# Altium PCB CTRL V5.PcbDoc
Units mil, origin at the board's own origin, x right, y up, seen from the top; angles counter-clockwise.
Board outline 1988.19 x 1466.54 mil, 2 copper layers (Top Layer, Bottom Layer); 80 components, 68 nets, 355 pads, 116 vias.
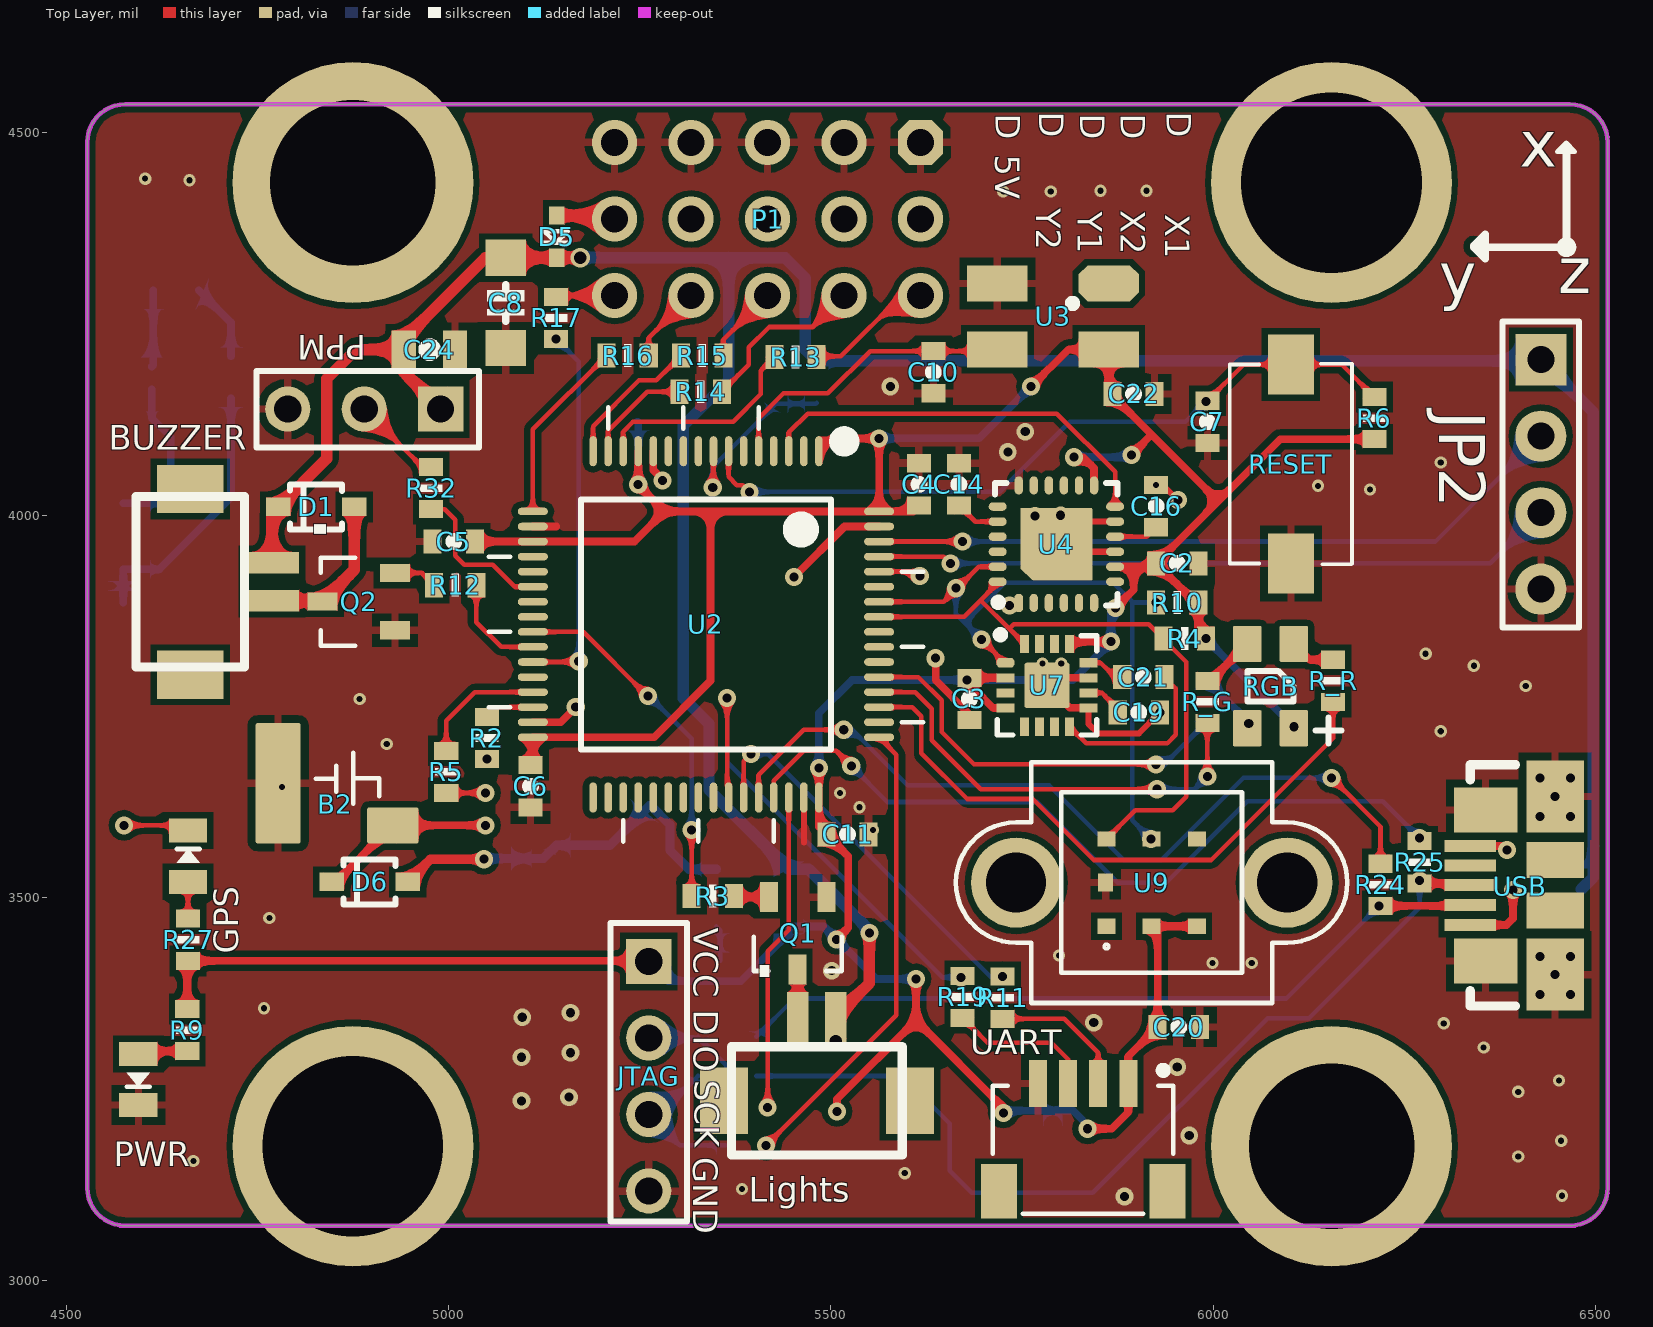
[diagram p0: Top Layer view]
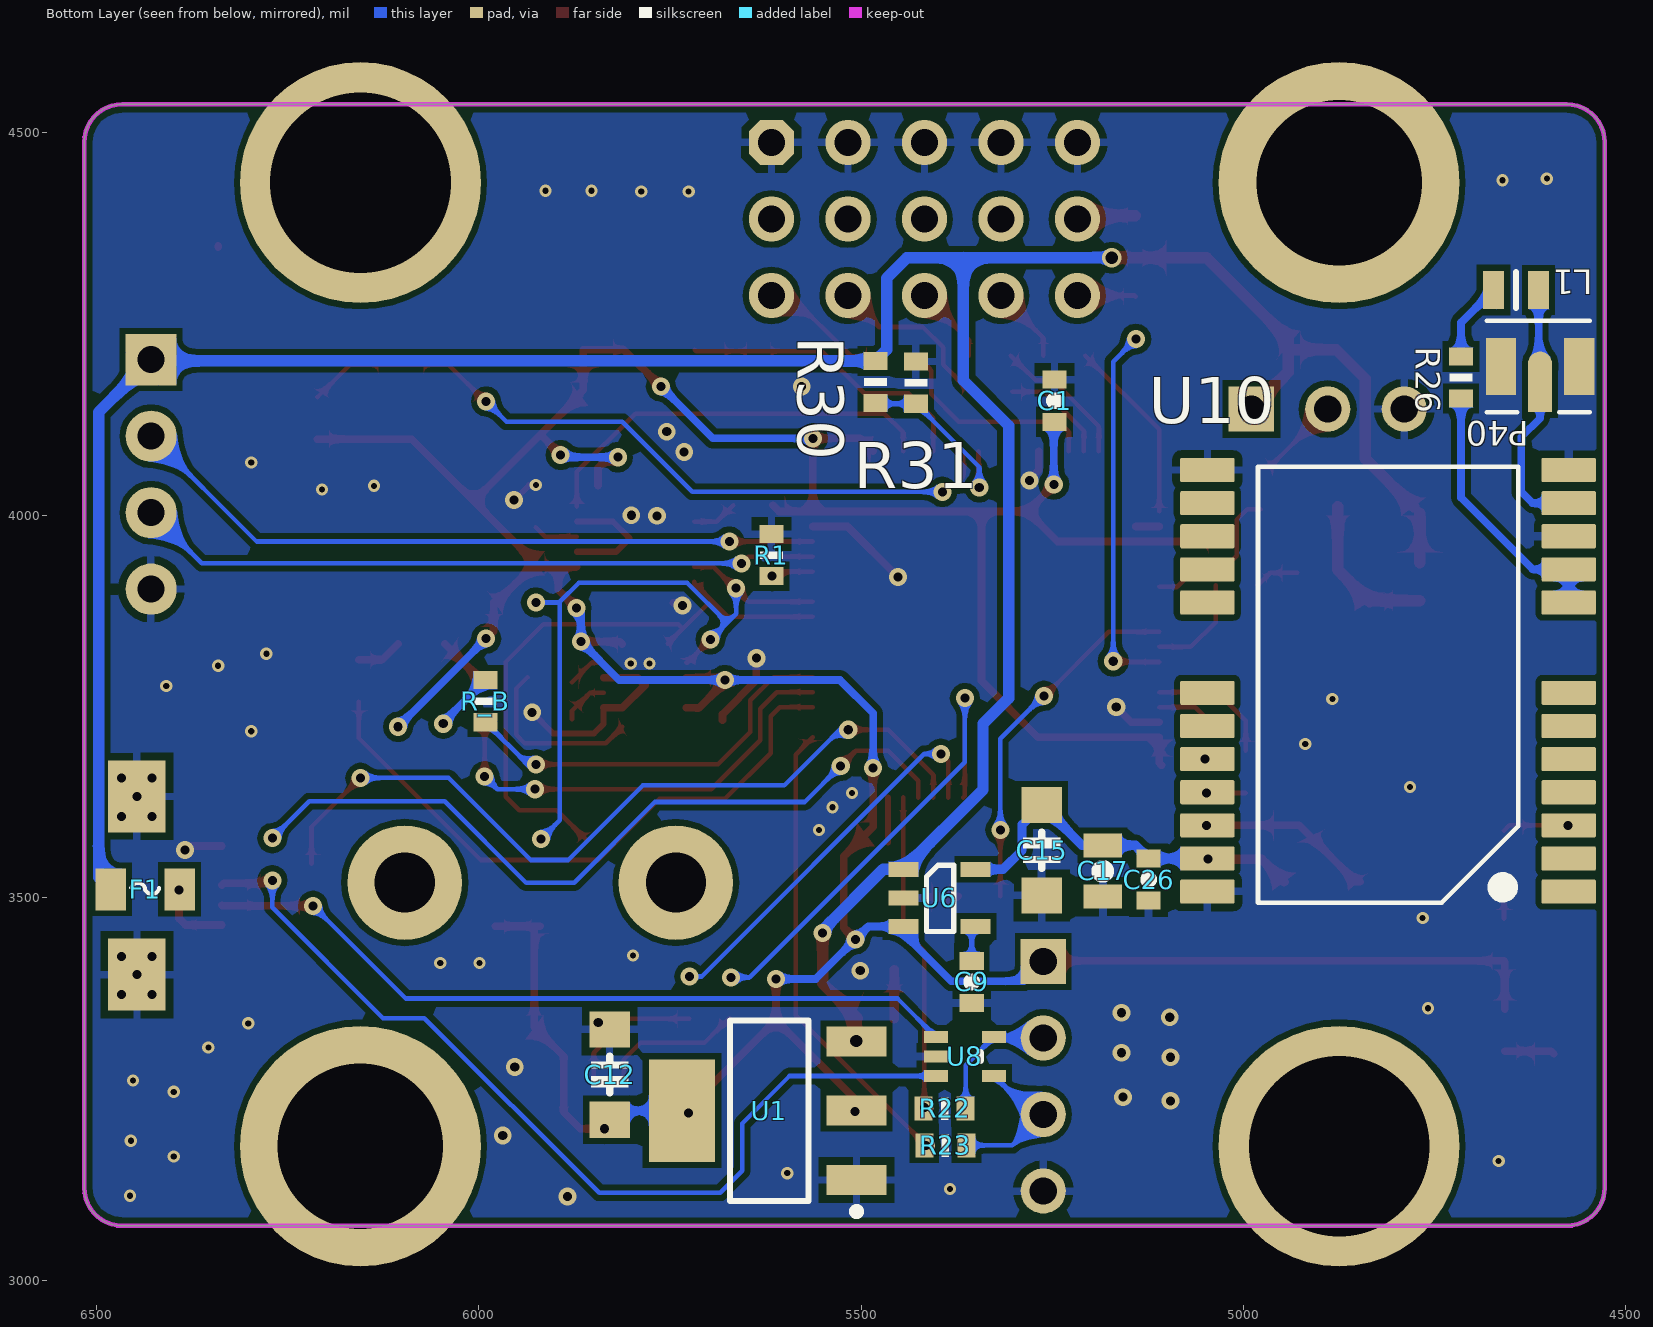
[diagram p1: Bottom Layer view, seen from below]

## Layer stack, top to bottom
Top Solder: solder mask 0.4, Solder Resist, Dk 3.5
Top Layer: signal copper 1.4
Dielectric1: dielectric 12.6, FR-4, Dk 4.8
Bottom Layer: signal copper 1.4
Bottom Solder: solder mask 0.4, Solder Resist, Dk 3.5

## Board outline
4527.56,3120.87 ccw(c4577.56,3120.87) 4577.56,3070.87 6465.75,3070.87 ccw(c6465.75,3120.87) 6515.75,3120.87 6515.75,4487.4 ccw(c6465.75,4487.4) 6465.75,4537.4 4577.56,4537.4 ccw(c4577.56,4487.4) 4527.56,4487.4

## Design rules (kind name [scope] priority, off if disabled: settings)
Clearance [All] p1: gap=5
ComponentClearance [All] p1: gap=1 collisioncheckmode=3 verticalgap=1 showdistances=FALSE
HoleSize [All] p1: absolutevalues=TRUE maxlimit=500 minlimit=1 maxpercent=80.000 minpercent=20.000
PolygonConnect IPEX [InComponent('P40')] p1: connectstyle=Direct reliefconductorwidth=10 reliefentries=4 polygonreliefangle="90 Angle" airgapwidth=10
PolygonConnect via [isvia] p2: connectstyle=Direct reliefconductorwidth=10 reliefentries=4 polygonreliefangle="90 Angle" airgapwidth=10
PolygonConnect [All] p3: connectstyle=Relief reliefconductorwidth=10 reliefentries=4 polygonreliefangle="90 Angle" airgapwidth=10
RoutingVias [All] p1: holewidth=11.81 width=23.62 viastyle="Through Hole" minholewidth=11.81 minwidth=23.62 maxholewidth=11.81 maxwidth=23.62
SolderMaskExpansion [All] p1: expansion=4
Width 5V [InNet('5V')] p1: maxlimit=15 minlimit=8 preferedwidth=10
Width PURE3V3 [InNet('PURE_3V3')] p2: maxlimit=15 minlimit=8 preferedwidth=10
Width 3V3 [InNet('3V3')] p3: maxlimit=20 minlimit=6 preferedwidth=8
Width [All] p4: maxlimit=157.48 minlimit=6 preferedwidth=6
28 further rules are at their usual default settings.

## Components (designator, comment, footprint, x,y, rotation, side; value= is the part's Value field where it differs from the comment)
B2 "XH414" XH414 4846.17,3667.49 r90 top
BUZZER "DF13C-2P" DF13C-2P-1.25V 4733.27,3913.39 r270 top
C1 "0.1uF" 0603-CAP 5247.05,4149.61 r90 bottom
C2 "0.1uF" 0603-CAP 5952.76,3937.01 r0 top
C3 "0.1uF" 0603-CAP 5681.1,3759.84 r90 top
C4 "0.1uF" 0603-CAP 5615.16,4040.35 r270 top
C5 "0.1uF" 0603-CAP 5006.89,3965.55 r0 top
C6 "0.1uF" 0603-CAP 5107.28,3645.67 r270 top
C7 "0.1uF" 0603-CAP 5992.13,4122.05 r90 top
C8 "10uF" TAJ-A(1206)[3216] 5074.8,4277.56 r270 top
C9 "0.1uF" 0603-CAP 5355.31,3389.76 r270 bottom
C10 "22pF" 0603-CAP 5633.86,4187.01 r90 top
C11 "0.1uF" 0603-CAP 5521.65,3582.68 r180 top
C12 "10uF" TAJ-A(1206)[3216] 5828.74,3268.7 r90 bottom
C14 "0.1uF" 0603-CAP 5667.32,4040.35 r90 top
C15 "10uF" TAJ-A(1206)[3216] 5263.78,3562.01 r270 bottom
C16 "0.1uF" 0603-CAP 5925.2,4011.81 r90 top
C17 "1uF" 0805-CAP 5184.06,3534.45 r90 bottom
C19 "0.1uF" 0603-CAP 5902.56,3742.12 r180 top
C20 "0.1uF" 0603-CAP 5954.72,3330.71 r180 top
C21 "0.1uF" 0603-CAP 5908.46,3788.39 r180 top
C22 "0.1uF" 0603-CAP 5895.67,4158.46 r180 top
C24 "0.1uF" 0805-CAP 4975.39,4216.54 r180 top
C26 "0.1uF" 0603-CAP 5124.02,3523.62 r90 bottom
D1 "shotechy" SOD-323 4826.77,4010.83 r180 top
D5 "1N4148" SOD-523 5140.75,4364.17 r270 top
D6 "SOD-323" SOD-323 4896.65,3520.67 r180 top
F1 "FUSE" 0805-FUS 6436.02,3510.83 r180 bottom
GPS "LED" 0805-LED 4659.45,3554.6 r270 top
JP2 "HDR-1X4" HDR-1X4 6428.15,4203.35 r270 top
JTAG "PIN HDR 1x4" PIN4*1 5261.81,3416.54 r270 top
L1 "value" 0805-IND 4643.7,4294.29 r180 bottom
Lights "DF13C-2P" DF13C-2P-1.25V 5481.3,3305.12 r0 top
P1 "PIN3X5" "PIN HDR3X5" 5617.13,4487.2 r180 top
P40 "IPEX" IPEX 4612.2,4194.37 r270 bottom
PPM "PIN HDR 1X3" PIN3*1 4989.76,4138.78 r180 top
PWR "LED" 0805-LED 4594.49,3261.81 r90 top
Q1 "2N3904" SOT-23 5456.69,3453.74 r180 top
Q2 "2N3904" SOT-23 4882.87,3886.81 r90 top
R1 "10K" 0603-Res 5617.13,3947.83 r270 bottom
R2 "510" 0603-Res 5050.2,3708.66 r270 top
R3 "10K" 0603-Res 5345.47,3501.97 r0 top
R4 "2.2K" 0603-Res 5962.6,3838.58 r0 top
R5 "510" 0603-Res 4997.05,3664.37 r270 top
R6 "10K" 0603-Res 6210.63,4126.97 r90 top
R9 "220" 0603-Res 4658.47,3326.77 r270 top
R10 "2.2K" 0603-Res 5952.76,3885.83 r0 top
R11 "22" 0603-Res 5724.41,3369.09 r90 top
R12 "10K" 0603-Res 5008.86,3908.46 r0 top
R13 "220" 0603-Res 5453.74,4206.69 r180 top
R14 "220" 0603-Res 5329.72,4161.42 r180 top
R15 "220" 0603-Res 5331.69,4208.66 r180 top
R16 "220" 0603-Res 5234.25,4208.66 r180 top
R17 "220" 0603-Res 5140.75,4257.87 r270 top
R19 "22" 0603-Res 5672.24,3370.08 r90 top
R22 "22" 0603-Res 5390.75,3224.41 r0 bottom
R23 "22" 0603-Res 5389.76,3176.18 r0 bottom
R24 "22" 0603-Res 6218.5,3516.73 r90 top
R25 "22" 0603-Res 6269.69,3546.26 r90 top
R26 "100" 0603-Res 4715.55,4180.12 r90 bottom
R27 "200" 0603-Res 4659.45,3444.88 r270 top
R30 "3.3K" 0603-Res 5481.3,4174.21 r270 bottom
R31 "1.7K" 0603-Res 5428.15,4173.23 r90 bottom
R32 "22" 0603-Res 4977.36,4035.43 r90 top
R_B "220" 0603-Res 5991.14,3756.89 r270 bottom
R_G "220" 0603-Res 5992.13,3755.91 r270 top
R_R "470" 0603-Res 6156.5,3783.46 r270 top
RESET "KEY_2PIN" KEY-SMD-2P-1 6101.38,4066.93 r90 top
RGB "3528LED" 1210-RGBLED 6074.8,3776.58 r90 top
U1 "AMS1117-3.3" SOT-223 5620.08,3221.46 r90 bottom
U2 "STM32F103RCT6" LQFP-64-S 5336.61,3857.28 r180 top
U3 "5032-8M" XTAL-5032-4P 5760.83,4196.85 r180 top
U4 "MPU6050" QFN-24 5794.78,3962.1 r0 top
U6 "RT9193" SOT23-5 5394.69,3499.02 r270 bottom
U7 "HMC5883" QFN-16-L 5782.48,3777.56 r270 top
U8 "ESDA6V1W5(Eb1)" SOT323-5L 5364.17,3292.32 r270 bottom
U9 "BMP180" BMP180-WITHSHELL 5919.29,3519.68 r90 top
U10 "NEO-6" NEO-6 4811.02,3783.46 r90 bottom
UART "SH1.0-4P" "SH1.0 S-W-4P" 5829.72,3086.61 r0 top
USB "USB-MICRO" USB_MICRO 6446.85,3516.24 r180 top

## Footprints (in the part's own frame and the unit in brackets; to place one, negate y for a bottom-side part, rotate by r counter-clockwise, add the part's x,y. Pads: shape width x height; smd on the part's side, far side on the other; paste and mask are expansions set on the pad)
0603-CAP [mm] "0603[1608]-CAP"
  rect 0.6x0.8 smd: 1(-0.7,0) 2(0.7,0)
  silkscreen extent -0.13,-0.13 0.13,0.13, body extent -0.8,-0.4 0.8,0.4, height 0.8
0603-Res [mm] "贴片电阻0603"
  rect 0.6x0.8 smd: 1(-0.7,0) 2(0.7,0)
  silkscreen extent -0.13,-0.38 0.13,0.38, body extent -0.8,-0.4 0.8,0.4, height 0.45
0805-CAP [mm] "无极性电容"
  rect 0.8x1.27 smd: 1(-0.838,0) 2(0.862,0)
  silkscreen extent -0.13,-0.13 0.13,0.13, body extent -1,-0.61 1,0.59, height 0.95
0805-FUS [mil] "贴片保险丝"
  rect 40x55 smd: 1(-45,0) 2(45,0)
  silkscreen extent -18,-6 18,8, body extent -39,-24 39,24, height 20
0805-IND [mm] "贴片电阻0805"
  rect 0.7x1.27 smd: 1(-0.75,0) 2(0.75,0)
  silkscreen extent 0,-0.6 0,0.6, body extent -1,-0.6 1,0.6, height 1
0805-LED [mm] "贴片LED0805"
  rect 0.8x1.27 smd: A(0.862,0) C(-0.838,0)
  silkscreen extent -0.23,-0.38 0.23,0.38, body extent -1.01,-0.62 1.01,0.63, height 1.1
1210-RGBLED [mm] "3528/1210/3225-4PinRGB"
  rrect10% 1.2x0.95 smd: B(-1.4,0.775) G(1.4,0.775) R(1.4,-0.775) VCC(-1.4,-0.775)
  silkscreen extent -1.9,-2.36 0.51,0.76, body extent -1.75,-1.4 1.75,1.4, height 1.9
BMP180-WITHSHELL [mm]
  round 3 / inner round 3 / far side round 3.8 hole 2 unplated: 0(0,4.5) 0(0,-4.5)
  rect 0.5x0.6 smd: 1(-1.45,1.5) 2(-1.45,0) 3(-1.45,-1.5) 4(1.45,-1.5) 5(1.45,0) 6(1.45,1.5)
  rect 0.6x0.5 smd: 7(0,1.525)
  silkscreen extent -4,-6.5 4,6.5, body extent -4,-6.48 4,6.48, height 3
DF13C-2P-1.25V [mil] "DF13C-2P-1.25V"
  rect 28x71 smd: 1(-24.61,36) 2(25,36)
  rect 63x87 smd: M$0(122,-70.87) M$1(-121.06,-70.87)
  silkscreen extent -111,-142 112,0, body extent -141,-200 141,56, height 141
HDR-1X4 [mm] "排针，4脚"
  rect 1.7x1.7 hole 0.9: 1(0,0)
  round 1.7 hole 0.9: 2(2.54,0) 3(5.08,0) 4(7.62,0)
  silkscreen extent -1.27,-1.27 8.89,1.27, body extent -1.27,-1.27 8.89,1.27, height 8.5
IPEX [mm] "IPEX天线座"
  oval 1x0.8 smd: ANT(0,0)
  rect 1.5x0.8 smd: ANT(0.762,0)
  rect 1.9x1 smd: GND(0,-1.3) GND(0,1.3)
  silkscreen extent -1.52,-1.78 1.52,1.65, body extent -1.55,-1.5 1.55,1.5, height 1.25
KEY-SMD-2P-1 [mil] "贴片内引脚按键"
  rect 78.74x60 smd: 1(-130,0) 2(130,0)
  silkscreen extent -131,-80 131,80, body extent -120,-73 120,73, height 98
LQFP-64-S [mm] "14*14*1.4(长宽高，除引脚）"
  oval 0.25x1 smd: 1(-3.75,-5.75) 2(-3.25,-5.75) 3(-2.75,-5.75) 4(-2.25,-5.75) 5(-1.75,-5.75) 6(-1.25,-5.75) 7(-0.75,-5.75) 8(-0.25,-5.75) 9(0.25,-5.75) 10(0.75,-5.75) 11(1.25,-5.75) 12(1.75,-5.75) 13(2.25,-5.75) 14(2.75,-5.75) 15(3.25,-5.75) 16(3.75,-5.75) 33(3.75,5.75) 34(3.25,5.75) 35(2.75,5.75) 36(2.25,5.75) 37(1.75,5.75) 38(1.25,5.75) 39(0.75,5.75) 40(0.25,5.75) 41(-0.25,5.75) 42(-0.75,5.75) 43(-1.25,5.75) 44(-1.75,5.75) 45(-2.25,5.75) 46(-2.75,5.75) 47(-3.25,5.75) 48(-3.75,5.75)
  oval 1x0.25 smd: 17(5.75,-3.75) 18(5.75,-3.25) 19(5.75,-2.75) 20(5.75,-2.25) 21(5.75,-1.75) 22(5.75,-1.25) 23(5.75,-0.75) 24(5.75,-0.25) 25(5.75,0.25) 26(5.75,0.75) 27(5.75,1.25) 28(5.75,1.75) 29(5.75,2.25) 30(5.75,2.75) 31(5.75,3.25) 32(5.75,3.75) 49(-5.75,3.75) 50(-5.75,3.25) 51(-5.75,2.75) 52(-5.75,2.25) 53(-5.75,1.75) 54(-5.75,1.25) 55(-5.75,0.75) 56(-5.75,0.25) 57(-5.75,-0.25) 58(-5.75,-0.75) 59(-5.75,-1.25) 60(-5.75,-1.75) 61(-5.75,-2.25) 62(-5.75,-2.75) 63(-5.75,-3.25) 64(-5.75,-3.75)
  silkscreen extent -7.21,-7.21 7.21,7.21, body extent -6,-6 6,6, height 1.45
NEO-6 [mm] "GPS_NEO-6_16X12.2"
  rrect10% 0.8x1.8 smd: 1(-7,-6) 2(-5.9,-6) 3(-4.8,-6) 4(-3.7,-6) 5(-2.6,-6) 6(-1.5,-6) 7(-0.4,-6) 8(2.6,-6) 9(3.7,-6) 10(4.8,-6) 11(5.9,-6) 12(7,-6) 13(7,6) 14(5.9,6) 15(4.8,6) 16(3.7,6) 17(2.6,6) 18(-0.4,6) 19(-1.5,6) 20(-2.6,6) 21(-3.7,6) 22(-4.8,6) 23(-5.9,6) 24(-7,6)
  silkscreen extent -7.37,-4.32 7.11,4.32, body extent -8.3,-6.18 8.3,6.18, height 2.64
PIN3*1 [mm]
  rect 1.5x1.5 hole 0.9: 1(0,0)
  round 1.5 hole 0.9: 2(2.54,0) 3(5.08,0)
  silkscreen extent -1.27,-1.27 6.12,1.27, body extent -1.27,-1.27 6.1,1.27, height 4
PIN4*1 [mm]
  rect 1.5x1.5 hole 0.9: 1(0,0)
  round 1.5 hole 0.9: 2(2.54,0) 3(5.08,0) 4(7.62,0)
  silkscreen extent -1.27,-1.27 8.64,1.27, body extent -1.27,-1.27 8.64,1.27, height 4
"PIN HDR3X5" [mm]
  oct 1.5x1.5 hole 0.9: 1(0,0)
  round 1.5 hole 0.9: 2(0,2.54) 3(0,5.08) 4(2.54,0) 5(2.54,2.54) 6(2.54,5.08) 7(5.08,0) 8(5.08,2.54) 9(5.08,5.08) 10(7.62,0) 11(7.62,2.54) 12(7.62,5.08) 13(10.16,0) 14(10.16,2.54) 15(10.16,5.08)
  body extent -1.27,-1.27 11.43,6.35, height 7.58
QFN-16-L [mm] "3x3,long lead"
  oct 0.3x0.6 smd: 1(-0.75,-1.375)
  rect 0.3x0.6 smd: 2(-0.25,-1.375) 3(0.25,-1.375) 4(0.75,-1.375) 9(0.75,1.375) 10(0.25,1.375) 11(-0.25,1.375) 12(-0.75,1.375)
  rect 0.6x0.3 smd: 5(1.375,-0.75) 6(1.375,-0.25) 7(1.375,0.25) 8(1.375,0.75) 13(-1.375,0.75) 14(-1.375,0.25) 15(-1.375,-0.25) 16(-1.375,-0.75)
  rrect10% 1.5x1.5 smd: 17(0,0)
  silkscreen extent -1.81,-1.68 1.65,1.65, body extent -1.55,-1.55 1.55,1.55, height 0.89
QFN-24 [mm]
  oct 0.28x0.6 smd: 1(-1.25,-1.95)
  oval 0.28x0.6 smd: 2(-0.75,-1.95) 3(-0.25,-1.95) 4(0.25,-1.95) 5(0.75,-1.95) 6(1.25,-1.95) 13(1.25,1.95) 14(0.75,1.95) 15(0.25,1.95) 16(-0.25,1.95) 17(-0.75,1.95) 18(-1.25,1.95)
  oval 0.6x0.28 smd: 7(1.95,-1.25) 8(1.95,-0.75) 9(1.95,-0.25) 10(1.95,0.25) 11(1.95,0.75) 12(1.95,1.25) 19(-1.95,1.25) 20(-1.95,0.75) 21(-1.95,0.25) 22(-1.95,-0.25) 23(-1.95,-0.75) 24(-1.95,-1.25)
  rrect10% 0.6x2 smd: 25(-0.9,0.2)
  rrect10% 0.6x0.6 smd rot 45: 25(-0.787,-0.787)
  rrect10% 2x0.6 smd: 25(0.2,-0.9)
  rrect5% 2x2 smd: 25(0.2,0.2)
  silkscreen extent -2.06,-2.06 2.03,2.03, body extent -2,-2 2,2, height 0.9
"SH1.0 S-W-4P" [mm]
  rect 1.2x1.8 smd: 0(-2.8,0.75) 0(2.8,0.75)
  rect 0.6x1.55 smd: 1(1.5,4.325) 2(0.5,4.325) 3(-0.5,4.325) 4(-1.5,4.325)
  silkscreen extent -3,0 3,4.89, body extent -3,0 3,4.95, height 2.92
SOD-323 [mil] "塑封体尺寸1.25x1.7mm"
  rect 32x24 smd: A(-50.01,-0.01) C(49.21,-0.01)
  silkscreen extent -34,-29 34,29, body extent -51,-26 51,26, height 39
SOD-523 [mm] "塑封体0.8x1.2mm"
  rect 0.6x0.5 smd: A(-0.7,0.019) C(0.7,0.019)
  silkscreen extent -0.18,-0.43 0.2,0.43, body extent -0.8,-0.4 0.8,0.4, height 0.65
SOT23-5 [mm]
  rect 0.5x1 smd: 1(-0.965,-1.27) 2(-0.015,-1.27) 3(0.935,-1.27) 4(0.935,1.13) 5(-0.965,1.13)
  silkscreen extent -1.1,-0.5 1.1,0.4, body extent -1.47,-1.47 1.43,1.33, height 1.09
SOT323-5L [mm] "1.2x2mm(except pins)"
  rect 0.4x0.8 smd: 1(-0.65,-0.965) 2(0,-0.965) 3(0.65,-0.965) 4(0.65,0.965) 5(-0.65,0.965)
  silkscreen extent -0.13,0.51 0.13,0.51, body extent -1.05,-1.05 1.05,1.05, height 1
SOT-23 [mm] "左下角起逆时针1,2,3,(小23)，塑封宽度1.3mm"
  rect 0.6x1 smd: 1(-0.946,-1.196) 2(0.959,-1.196) 3(0.005,1.214)
  silkscreen extent -1.45,0.12 1.47,1.26, body extent -1.47,-1.35 1.53,1.29, height 1.08
SOT-223 [mm]
  rect 1x2 smd: 1(-2.3,-2.9) 2(0,-2.9) 3(2.3,-2.9)
  rect 3.4x2.2 smd: 4(0,2.9)
  silkscreen extent -3.47,-3.02 3,1.3, body extent -3.25,-3.48 3.25,3.48, height 1.65
TAJ-A(1206)[3216] [mm] "tantalum cap,1206[3216]1.6mmx3.2mmx1.8mm"
  rect 1.2x1.35 smd: A(-1.5,0) C(1.5,0)
  silkscreen extent -0.6,-0.63 0.6,0.63, body extent -1.7,-0.84 1.7,0.84, height 1.71
USB_MICRO [mil] "贴片micro USB"
  rect 67x15.75 smd: D+(111,0) D-(111,26) GND(111,-51.18) ID(111,-25.59) VBUS(111,52)
  round 11.81 hole 11.81: GND(-20,143.14) GND(-20,93.14) GND(-20,-90) GND(-20,-140) GND(20,143.14) GND(20,93.14) GND(20,-90) GND(20,-140)
  rect 75x94 hole 11.81: GND(0,117) GND(0,-116.14)
  rect 83x59 smd: GND(91,99) GND(91,-98.42)
  rect 75x47 smd: ""(0,33) ""(0,-32.97)
  silkscreen extent 52,-157 111,158, body extent -99,-157 114,157, height 105
XH414 [mil] "XH414-φ4.75金属贴片法拉电容"
  rrect10% 157.48x59.06 smd: GND(-18,69)
  rrect10% 47.24x66.93 smd: VCC(-73,-81)
  silkscreen extent -45,-63 22,20, body extent -97,-97 92,92, height 63
XTAL-5032-4P [mm] "5032晶振"
  oct 2x1.2 smd: 1(-2.6,-2.7)
  rect 2x1.2 smd: 2(1.1,-2.7) 3(1.1,-0.5) 4(-2.6,-0.5)
  silkscreen extent -1.52,-2.16 -1.27,-1.91, body extent -3.3,-3.2 1.71,0.01, height 1.12

## Part data
B2: "XH414贴片法拉电容φ4.7"
BUZZER: library part "PIN HDR 1x2", "DF13C-2PHeader, 2-Pin"
C1 C2 C3 C4 C5 C6 C7 C9 C10 C11 C14 C16 C17 C19 C20 C21 C22 C24 C26: library part Cap, "无极性Cap"
C8 C12 C15: library part Cap_p, "有极性Cap"
D1 D5 D6: library part DIODE, "Diode"
F1: "熔断器"
JP2: library part "Header 4", "4P接插件"
JTAG: "1x4-Pin-connector-JTAG"
L1: library part Inductor, "电感"
Lights: library part "PIN HDR 1x2", "Header, 2-Pin"
P1: library part "PIN HDR3x5"
P40: "IPEX天线座"
Q1 Q2: library part NPN, "NPN三极管"
R1 R3 R4 R6 R9 R10 R11 R12 R13 R14 R15 R16 R17 R19 R22 R23 R24 R25 R26 R27 R30 R31 R32 R_B R_G R_R: library part Res, "Resistor"
R2 R5: library part RES, "Resistor"
RGB: library part LED-RGB-4PIN
U1: library part AMS1117
U3: library part XTAL-5032-4P, "4PIN-5032晶振"
U4: "dscrps三轴陀螺仪加速度计"
U7: "地磁计"
U8: "ESD protection"
U9: "Special BOSCH pressure sensor"
U10: "GPS"
UART: library part "PIN HDR 1x4", "SH1.0-4P 1x4-Pin-connector"
USB: library part USB, "USB"

## Free pads (board coordinates)
  round 314.96 hole 236.22 unplated: 0(4875,3175)
  round 314.96 hole 216.54: 0(4875,4434.84) 0(6154.53,3175)
  round 314.96 hole 236.22: 0(6154.53,4434.84)

## Via types
v1: diameter 23.62, hole 11.81, Top Layer to Bottom Layer, 60 vias
v2: diameter 16, hole 8, Top Layer to Bottom Layer, 37 vias
v3: diameter 23, hole 12, Top Layer to Bottom Layer, 17 vias
v4: diameter 25.62, hole 15.81, Top Layer to Bottom Layer, 2 vias

## Nets (pads, with @x,y where several pads share a name; then routed paths per layer and width w, separated by ;. In a path a pad name is that pad's centre, name@x,y a point inside that pad or via, vN(x,y) a via of type N, cw(c..) or ccw(c..) an arc to the next point about the centre after c; other vN are vias at no path point)
3V3: C1.1 C2.1 C3.2 C4.2 C5.2 C6.1 C11.2 C12.A C20.2 C22.2 JTAG.1 R4.2 R6.1 R9.1 R10.2 R27.2 RGB.VCC U1.2 U1.4 U2.1 U2.13 U2.19 U2.32 U2.48 U2.64 U3.4 U4.8 U4.13 U6.3 U7.2 U7.4 U7.13 U9.2 U9.3 UART.1 | length 5920.7
  Top Layer w10: R9.1 4658.46,3416.34 R27.2 5261.02,3417.32 JTAG.1 ; C5.2 U2.19 5243.11,3965.55 5282.48,4004.92 ; C6.1 5110.24,3676.18 U2.32 5268.7,3709.65 5342.52,3783.46 5342.52,4004.92 ; U2.13 v1(5248.03,4040.35) 5248.03,4039.37 5282.48,4004.92 ; v1(5484.25,3669.29) U2.48 5484.25,3592.52 C11.2 5522.64,3554.13 5522.64,3460.63 v1(5507.38,3445.37) ; U2.1 5500.98,4100.39 v1(5562.99,4100.39) U2.64 ; v1(5507.87,3220.47) 5507.87,3236.22 5611.22,3339.57 ; v1(5611.22,3393.7) 5611.22,3339.57 ; C4.2 5607.28,4004.92 U2.64 ; v1(5725.39,3218.5) 5725.39,3225.39 5611.22,3339.57 ; U7.4 5711.62,3748.03 5681.1,3778.54 C3.2 U7.2 ; v1(5761.81,4168.31) 5810.04,4216.54 U3.4 5863.19,4163.39 C22.2 5868.11,4156.5 5918.31,4106.3 ; U7.13 5814.96,3834.65 v1(5866.14,3834.65) ; v1(5817.91,4075.79) 5829.72,4075.79 5843.99,4061.52 U4.13 ; v1(5835.63,3197.83) 5867.13,3197.83 5888.78,3219.49 UART.1 5888.78,3292.32 C20.2 U9.2@5927.17,3461.61 ; U4.8 5895.67,3932.57 ; v1(5872.05,3878.94) 5895.67,3902.56 5895.67,3932.57 ; v1(5892.72,4078.74) 5918.31,4104.33 5918.31,4106.3 ; U9.2 U9.3 ; C2.1@5924.71,3932.57 5895.67,3932.57 ; v1(5990.16,3838.58) 5980.32,3848.43 R10.2 5976.38,3885.83 C2.1 6006.4,4018.21 ; R6.1 6087.6,4099.41 6006.4,4018.21 ; 5282.48,4004.92 5342.52,4004.92 ; 5342.52,4004.92 U2.64 ; 5918.31,4106.3 6006.4,4018.21
  Bottom Layer w10: C1.1 5248.03,4121.06 v1(5248.03,4040.35) ; JTAG.1 5287.6,3390.75 5381.89,3390.75 5444.69,3453.54 U6.3 5490.54,3462.21 v1(5507.38,3445.37) 5559.06,3393.7 v1(5611.22,3393.7) ; v1(5484.25,3669.29) 5484.25,3741.14 5527.56,3784.45 v1(5678.15,3784.45) 5815.94,3784.45 v1(5866.14,3834.65) 5866.14,3873.03 v1(5872.05,3878.94) ; v1(5562.99,4100.39) 5693.9,4100.39 v1(5761.81,4168.31) ; U1.4 5816.93,3221.46 C12.A ; v1(5817.91,4075.79) v1@5892.72,4075.79 ; v1(5990.16,3838.58) v1(6105.31,3723.43)
5V: BUZZER.1 C8.A C24.2 D1.C D5.C F1.1 JP2.1 Lights.2 PPM.1 R30.1 U1.3 U6.1 | length 4051.9
  Top Layer w12: D1.C@4769.27,4002.54 D1.C
  Top Layer w15: BUZZER.1 D1.C@4769.27,4002.54 ; D1.C 4840.55,4073.82 4840.55,4178.15 4878.94,4216.54 C24.2 ; PPM.1 4941.46,4187.08 C24.2 ; v4(5172.24,4336.61) D5.C C8.A 5048.23,4336.62 4941.46,4229.85 C24.2 ; v4(5506.3,3312.4) Lights.2 5504.92,3342.5 5550.2,3387.77 v1(5550.2,3453.74)
  Bottom Layer w15: v4(5172.24,4336.61) 5366.14,4336.61 ; U1.3 v4(5506.3,3312.4) ; v1(5550.2,3453.74) 5550.2,3457.68 5470.86,3537.02 U6.1 5340.55,3641.15 5340.55,3727.36 5307.09,3760.83 5307.09,4117.13 5366.14,4176.18 5366.14,4336.61 ; F1.1 6496.85,3526.65 6496.85,4134.65 JP2.1 6426.57,4201.77 R30.1 5466.54,4216.53 5466.54,4310.04 5439.96,4336.61 5366.14,4336.61
BLUE: R_B.2 U2.53 | length 522.5
  Top Layer w6: U2.53 5614.17,3788.39 5644.69,3757.87 5644.69,3716.54 5687.01,3674.21 v1(5925.2,3674.21)
  Bottom Layer w6: v1(5925.2,3674.21) 5936.02,3674.21 R_B.2
BUZZER: R12.2 U2.26 | length 135.5
  Top Layer w6: R12.2 5036.42,3860.24 5068.9,3827.76 U2.26
EXTAL: C10.2 U2.5 U3.3 | length 392.4
  Top Layer w6: U2.5 5405.51,4126.97 5437.99,4159.45 5496.06,4159.45 5551.18,4214.57 C10.2 5715.55,4214.57 U3.3
GND: B2.GND C1.2 C2.2 C3.1 C4.1 C5.1 C6.2 C7.1 C8.C C9.2 C10.1 C11.1 C12.C C14.2 C15.C C16.2 C17.1 C19.1 C20.1 C22.1 C24.1 C26.1 JP2.4 JTAG.4 P1.1 P1.4 P1.7 P1.10 P1.13 P40.GND PPM.3 PWR.C Q1.1 Q2.1 R1.1 R31.2 RESET.1 U1.1 U2.12 U2.18 U2.31 U2.47 U2.63 U3.2 U4.1 U4.9 U4.11 U4.18 U4.25 U6.2 U7.9 U7.11 U7.17 U8.2 U9.7 U10.10 U10.12 U10.13 U10.24 UART.4 USB.GND | length 952.6
  Top Layer w8: 5464.57,3571.85 U2.47 ; U7.9 5836.61,3727.36 5849.41,3714.57 5902.56,3714.57 v3(5930.12,3742.13) ; U4.9 5820.37,3952.26 5802.65,3969.98 5824.31,3991.63 U4.11 ; v2(5925.2,4039.37) 5934.06,4039.37 v1(5953.74,4019.68)
  Top Layer w10: U2.31 5146.65,3729.33 v1(5166.34,3749.02) ; U2.18 5140.75,3985.24 ; U2.12 5267.72,4059.05 5279.79,4046.99 v1(5279.79,4045.47) ; v1(5451.77,3919.29) 5517.72,3985.24 U2.63 ; v1(5636.81,3812.99) 5636.81,3784.13 5681.1,3739.84 C3.1 ; v1(5733.27,3881.89) 5736.71,3885.33 U4.1 ; U7.9 5812.01,3748.03 U7.17 5792.32,3787.4 U7.11 ; USB.GND@6335.85,3567.42 6378.45,3567.42 v1(6383.86,3562.01)
  Bottom Layer w10: v1@5279.79,4043.56 v1(5279.79,4045.47) ; v1@5451.77,3913.39 v1(5451.77,3919.29)
  other v2: 6455.71,3110.24 5383.86,3119.09 5596.46,3139.76 4666.34,3155.51 6398.62,3161.42 6454.72,3182.09 6398.62,3246.06 6451.77,3260.83 6353.35,3304.13 6301.18,3335.63 4758.86,3355.32 5999.02,3414.37 6050.2,3414.37 5798.23,3424.21 4765.75,3473.43 5555.12,3588.58 5537.4,3618.11 5511.81,3636.81 4782.17,3644.49 4919.29,3700.79 6297.24,3717.52 4883.86,3759.84 6408.46,3776.57 6340.55,3803.15 5776.57,3806.1 5801.18,3806.1 6277.56,3818.9 6204.72,4033.46 6136.81,4038.39 6297.24,4068.9 5725.39,4423.23 5787.4,4423.23 5852.36,4424.21 5912.4,4424.21 4661.42,4437.99 4603.35,4439.96
  other v3: 5883.86,3109.25 5968.5,3188.98 5095.47,3234.25 5157.48,3239.17 5952.76,3278.54 5095.47,3291.34 5159.45,3297.24 5843.5,3336.61 5096.46,3343.5 5159.45,3349.41 5500.98,3404.53 5766.73,3999.02 5800.2,4000 5731.3,4082.68 5753.94,4109.25 5577.76,4168.31
GREEN: R_G.2 U2.52 | length 582.8
  Top Layer w6: U2.52 5610.24,3768.7 5631.89,3747.05 5631.89,3705.71 5695.87,3641.73 v1(5926.18,3641.73) ; v1(5992.13,3658.46) R_G.2
  Bottom Layer w6: v1(5926.18,3641.73) 5975.39,3641.73 v1(5992.13,3658.46)
LIGNTS: R3.1 U2.25 | length 472.7
  Top Layer w6: U2.25 5176.18,3847.44 5260.83,3762.8 v1(5260.83,3763.78) ; R3.1 v1(5317.91,3588.58)
  Bottom Layer w6: v1(5260.83,3763.78) 5261.81,3763.78 5317.91,3707.68 v1(5317.91,3588.58)
MPU_IQR: U2.3 U4.12 | length 538.3
  Top Layer w6: U2.3 5444.88,4108.27 5469.49,4132.87 5795.28,4132.87 5871.55,4056.6 U4.12
MRST: R2.1 U2.30 | length 65.3
  Top Layer w6: R2.1 5062.99,3749.02 U2.30
MTSR: R5.1 U2.29 | length 168.1
  Top Layer w6: R5.1 4997.05,3731.3 5034.45,3768.7 U2.29
NetB2_VCC: B2.VCC D6.C U10.22 | length 231.4
  Top Layer w10: D6.C 4853.35,3520.67 B2.VCC v1(5048.23,3594.49)
NetBUZZER_2: BUZZER.2 D1.A Q2.3 | length 207.5
  Top Layer w15: BUZZER.2 4833.7,3888.39 Q2.3 4876.78,3928.72 D1.A
NetC9_1: C9.1 U6.4 | length 47
  Bottom Layer w6: U6.4 5355.31,3457.09 C9.1
NetC14_1: C14.1 U4.20 | length 59.4
  Top Layer w6: C14.1 5688.49,3991.63 U4.20
NetC16_1: C16.1 U4.10 | length 58.7
  Top Layer w6: U4.10 5912.89,3971.94 C16.1
NetC19_2: C19.2 U7.10 | length 61.9
  Top Layer w6: U7.10 5854.33,3767.72 5877.95,3744.09 C19.2@5877.95,3733.27
NetC21_1: C21.1 U7.8 | length 234.3
  Top Layer w6: U7.8 5833.66,3701.77 5939.96,3701.77 5950.93,3712.74 5950.93,3773.48 C21.1
NetC21_2: C21.2 U7.12 | length 51.9
  Top Layer w6: U7.12 5852.36,3807.09 C21.2@5877.95,3781.5
NetD5_A: D5.A P1.14 | length 77.5
  Top Layer w15: D5.A 5212.6,4391.73 P1.14
NetF1_2: F1.2 USB.VBUS | length 99.3
  Top Layer w10: USB.VBUS 6383.2,3464.24 6391.73,3472.77 v1(6391.73,3509.84)
  Bottom Layer w10: v1(6391.73,3509.84) F1.2@6393.7,3511.81
NetGPS_A: GPS.A R27.1 | length 48.2
  Top Layer w6: R27.1 GPS.A
NetJTAG_2: JTAG.2 R22.1 U8.5 | length 173.8
  Bottom Layer w6: JTAG.2 5324.8,3316.54 U8.5 5363.19,3280.9 R22.1
NetJTAG_3: JTAG.3 R23.1 U8.4 | length 202.3
  Bottom Layer w6: U8.4 5275.98,3216.54 JTAG.3 5302.17,3176.18 R23.1
NetL1_1: L1.1 R26.2 | length 104.1
  Bottom Layer w10: L1.1 4715.55,4251.97 R26.2
NetL1_2: L1.2 P40.ANT U10.11 | length 312.9
  Bottom Layer w10: U10.11 4622.05,4015.75 4636.81,4030.51 4636.81,4102.36 4612.2,4126.97 P40.ANT@4612.2,4164.37 ; P40.ANT@4612.2,4194.37 4614.17,4196.34 L1.2
NetLights_1: Lights.1 Q1.3 | length 64.9
  Top Layer w12: Q1.3 5456.69,3405.74 Lights.1
NetP1_3: P1.3 R13.1 | length 168.8
  Top Layer w6: R13.1@5481.3,4207.68 5512.79,4207.68 5592.32,4287.2 P1.3
NetP1_6: P1.6 R14.1 | length 225.2
  Top Layer w6: R14.1 5392.72,4196.85 5392.72,4219.49 5419.29,4246.06 5475.98,4246.06 P1.6
NetP1_9: P1.9 R15.1 | length 102.5
  Top Layer w6: R15.1 5359.25,4229.33 P1.9
NetP1_12: P1.12 R16.1 | length 101.5
  Top Layer w6: R16.1 5261.81,4231.89 P1.12
NetP1_15: P1.15 R17.1 | length 77.1
  Top Layer w6: R17.1 5142.52,4287.2 P1.15
NetPPM_2: PPM.2 R32.2 | length 119
  Top Layer w6: PPM.2 4965.55,4062.99 R32.2
NetPWR_A: PWR.A R9.2 | length 65.4
  Top Layer w10: PWR.A 4597.96,3299.21 R9.2
NetQ1_2: Q1.2 R3.2 | length 46.4
  Top Layer w10: R3.2 5374.17,3500.83 Q1.2
NetQ2_2: Q2.2 R12.1 | length 58
  Top Layer w6: Q2.2 4965.2,3924.57 R12.1
NetR1_2: R1.2 U2.60 | length 56.6
  Top Layer w6: U2.60 5610.24,3926.18 v1(5616.14,3920.28)
  Bottom Layer w6: v1(5616.14,3920.28) R1.2
NetR2_2: R2.2 U10.20
  other v1: 5050.2,3681.1
NetR5_2: R5.2 U10.21 | length 52.6
  Top Layer w6: R5.2 v1(5048.23,3636.81)
  Bottom Layer w6: v1(5048.23,3636.81) U10.21@5049.21,3635.83
NetR11_1: R11.1 UART.2 | length 183.7
  Top Layer w6: R11.1 5805.12,3341.54 5849.41,3297.24 UART.2
NetR19_1: R19.1 UART.3 | length 191.7
  Top Layer w6: R19.1 5704.72,3310.04 5788.39,3310.04 5810.04,3288.39 UART.3
NetR24_1: R24.1 U8.1 USB.D- | length 1005.1
  Top Layer w6: v1(6216.53,3489.17) R24.1
  Top Layer w10: R24.1 6334.78,3489.17 USB.D-
  Bottom Layer w6: U8.1 5452.37,3368.11 6095.47,3368.11 v1(6216.53,3489.17)
NetR25_1: R25.1 U8.3 USB.D+ | length 1228.1
  Top Layer w6: R25.1 v1(6269.69,3522.64)
  Top Layer w10: R25.1 6333.39,3518.7 USB.D+
  Bottom Layer w6: U8.3 5593.5,3266.73 5655.51,3204.72 5655.51,3142.72 5684.06,3114.17 5842.52,3114.17 6070.87,3342.52 6125,3342.52 6269.69,3487.2 v1(6269.69,3522.64)
NetR26_1: R26.1 U10.8 U10.9 | length 352.7
  Bottom Layer w10: U10.8 U10.9 4622.05,3929.13 4715.55,4022.64 R26.1
NetR30_2: R30.2 R31.1 U2.8 | length 244.7
  Top Layer w6: v1(5345.47,4036.42) 5346.46,4037.4 U2.8
  Bottom Layer w6: v1(5345.47,4036.42) 5345.47,4062.99 R31.1 5480.31,4145.67 R30.2
NetR_B_1: R_B.1 RGB.B | length 79.9
  Bottom Layer w10: R_B.1 6046.26,3729.33 v1(6046.26,3727.36)
NetR_G_1: R_G.1 RGB.G | length 72.1
  Top Layer w10: R_G.1 5996.06,3783.47 RGB.G
NetR_R_1: R_R.1 RGB.R | length 59.7
  Top Layer w10: RGB.R 6125.98,3811.02 R_R.1
NRST: C7.2 R6.2 RESET.2 U2.7 | length 970.2
  Top Layer w6: U2.7 5366.14,4050.2 5376.97,4039.37 5384.84,4039.37 v1(5393.7,4030.51) ; C7.2 6039.45,4196.93 RESET.2 6168.23,4196.93 R6.2
  Bottom Layer w6: v1(5393.7,4030.51) 5720.47,4030.51 5812.01,4122.05 5963.58,4122.05 v1(5990.16,4148.62)
PC13: JP2.2 U2.62 | length 922.2
  Top Layer w6: U2.62 v1(5672.24,3965.55)
  Bottom Layer w6: v1(5672.24,3965.55) 6290.35,3965.55 JP2.2
PD1: JP2.3 U2.61 | length 896.3
  Top Layer w6: U2.61 5647.64,3945.87 v1(5656.5,3937.01)
  Bottom Layer w6: v1(5656.5,3937.01) 6361.81,3937.01 JP2.3
PPM: R32.1 U2.22 | length 202.5
  Top Layer w6: R32.1 4995.08,4007.87 5008.86,3994.09 5008.86,3946.85 5020.67,3935.04 5058.07,3935.04 5086.61,3906.5 U2.22
PPS: GPS.C U10.3 | length 86.5
  Top Layer w6: v1(4575.79,3594.49) 4652.56,3594.49 GPS.C
PURE_3V3: C15.A C17.2 C26.2 D6.A U6.5 U10.23 | length 498.1
  Top Layer w12: D6.A 4976.18,3550.2 v1(5046.26,3550.2)
  Bottom Layer w12: U10.23 C26.2 5141.21,3568.38 C17.2 5211.09,3568.38 C15.A 5289.37,3595.47 5289.37,3562.01 5314.36,3537.02 U6.5
PWM_SERVO: R17.2 U2.27 | length 493.9
  Top Layer w6: U2.27 5169.29,3808.07 v1(5170.28,3809.06)
  Bottom Layer w6: v1(5140.75,4230.31) 5170.28,4200.79 v1(5170.28,3809.06)
PWMX1: R13.2 U2.14 | length 281.7
  Top Layer w6: U2.14 5228.35,4109.25 5241.14,4122.05 5372.05,4122.05 5408.47,4158.47 5408.47,4188.98 R13.2
PWMX2: R14.2 U2.15 | length 141.3
  Top Layer w6: U2.15 5208.66,4110.24 5259.84,4161.42 R14.2
PWMY1: R15.2 U2.16 | length 186
  Top Layer w6: U2.16 5188.98,4116.14 5249.02,4176.18 5271.65,4176.18 R15.2
PWMY2: R16.2 U2.17 | length 243.7
  Top Layer w6: U2.17 5110.24,4112.21 R16.2
RED: R_R.2 U2.51 | length 817.8
  Top Layer w6: U2.51 5606.3,3749.02 5618.11,3737.2 5618.11,3688.98 5678.15,3628.94 5763.78,3628.94 5843.5,3549.21 5997.05,3549.21 6156.5,3708.66 R_R.2
SCL: R10.1 U2.58 U4.23 U7.1 U9.5 | length 901.9
  Top Layer w6: U2.58 5647.64,3886.81 v1@5664.37,3903.54 ; v1(5663.39,3904.53) v1@5665.35,3906.5 ; v1@5666.34,3905.51 5693.4,3932.57 U4.23 ; v1(5696.85,3837.6) 5727.36,3807.09 U7.1 ; v1(5918.31,3576.77) U9.5
  Bottom Layer w6: v1(5663.39,3904.53) 5663.39,3871.06 5675.2,3859.25 ; v1(5696.85,3837.6) 5675.2,3859.25 ; v1(5918.31,3576.77) 5893.7,3601.38 5893.7,3885.83 ; v1(5925.2,3885.83) 5893.7,3885.83 ; 5675.2,3859.25 5727.36,3911.42 5869,3911.42 5893.7,3886.71 5893.7,3885.83
SDA: R4.1 U2.57 U4.24 U7.16 U9.6 | length 813.5
  Top Layer w6: U2.57 5674.21,3867.13 5696.11,3889.02 ; U4.24 5718.01,3910.92 5696.11,3889.02 ; U7.16 5733.27,3851.38 ; U9.6 5897.64,3614.17 5946.85,3614.17 5964.57,3631.89 5964.57,3808.07 5915.35,3857.28 5739.17,3857.28 5733.27,3851.38 ; 5696.11,3889.02 5696.11,3888.54 5733.27,3851.38
SWCLK: R23.2 U2.49 | length 613.4
  Top Layer w6: v1(5415.35,3176.18) 5585.63,3346.46 5585.63,3687.01 U2.49
SWDIO: R22.2 U2.46 | length 418.3
  Top Layer w6: v1(5417.32,3225.39) 5417.32,3430.12 5444.88,3457.68 U2.46
  Bottom Layer w6: v1(5417.32,3225.39) R22.2
UART-R: R11.2 U2.43 | length 510.6
  Top Layer w6: U2.43 5385.83,3678.15 v1(5395.67,3687.99)
  Bottom Layer w6: v1(5395.67,3687.99) 5417.32,3687.99 5708.66,3396.65 v1(5724.41,3396.65)
UART-T: R19.2 U2.42 | length 639.9
  Top Layer w6: v1(5364.17,3760.83) 5364.17,3632.87 U2.42 ; v1(5670.28,3395.67) R19.2
  Bottom Layer w6: v1(5364.17,3760.83) 5364.17,3677.17 5645.67,3395.67 v1(5670.28,3395.67)
USBDM: R24.2 U2.44 | length 1056.7
  Top Layer w6: U2.44 5405.51,3660.43 5464.57,3719.49 v1(5516.73,3719.49) ; v1(6154.53,3656.5) 6218.5,3592.52 R24.2
  Bottom Layer w6: v1(5516.73,3719.49) 5527.56,3719.49 5600.39,3646.65 5785.43,3646.65 5882.87,3549.21 5932.09,3549.21 6039.37,3656.5 v1(6154.53,3656.5)
USBDP: R25.2 U2.45 | length 1021.7
  Top Layer w6: U2.45 5425.2,3652.56 5464.57,3691.93 5506.89,3691.93 v1(5526.57,3672.24) ; R25.2 v1(6269.68,3577.76)
  Bottom Layer w6: v1(5526.57,3672.24) 5573.82,3625 5769.69,3625 5875,3519.68 5937.99,3519.68 6044.29,3625.98 6221.46,3625.98 v1(6269.68,3577.76)
pads on no net: BUZZER.M$0 BUZZER.M$1 Lights.M$0 Lights.M$1 P1.2 P1.5 P1.8 P1.11 U2.2 U2.4 U2.6 U2.9 U2.10 U2.11 U2.20 U2.21 U2.23 U2.24 U2.28 U2.33 U2.34 U2.35 U2.36 U2.37 U2.38 U2.39 U2.40 U2.41 U2.50 U2.54 U2.55 U2.56 U2.59 U3.1 U4.2 U4.3 U4.4 U4.5 U4.6 U4.7 U4.14 U4.15 U4.16 U4.17 U4.19 U4.21 U4.22 U7.3 U7.5 U7.6 U7.7 U7.14 U7.15 U9.0 U9.1 U9.4 U10.1 U10.2 U10.4 U10.5 U10.6 U10.7 U10.14 U10.15 U10.16 U10.17 U10.18 U10.19 UART.0 USB. USB.ID
copper on no net: | length 2
  Top Layer w10: 6340.55,4350.39 6340.55,4352.36

## Polygon pours and split planes (outlines as drawn)
GND on Top Layer "Top Layer-No Net" (solid, remove dead copper, pour order 6): 6635.83,4633.86 6629.92,4639.76 4443.9,4639.76 4443.9,3091.54 4568.9,2966.54 4631.89,2903.54 6647.64,2903.54
GND on Bottom Layer "Top Layer-No Net" (solid, remove dead copper, pour order 8): 6624.02,4679.13 4472.44,4679.13 4422.24,4729.33 4458.66,4692.91 4458.66,2906.5 6525.59,2906.5 6638.78,2793.31

## Keep-outs
Keep-Out Layer:
  lines w6: 4527.56,4380.71 4527.56,4486.22 ; 4527.56,4381.89 4527.56,3157.48 4527.56,3120.87 ccw(c4577.56,3120.87) 4577.56,3070.87 4611.22,3070.87 6415.88,3070.87 6465.75,3070.87 ccw(c6465.75,3120.87) 6515.75,3120.87 6515.75,3153.54 6515.75,4362.2 6515.75,4487.4 ccw(c6465.75,4487.4) 6465.75,4537.4 6352.36,4537.4 4665.35,4537.4 4577.56,4537.4 ccw(c4577.56,4487.4) 4527.56,4487.4

## Silkscreen, mask and mechanical layers (free items; w line width, h text height)
Top Overlay:
  circle w10: c6461.61,4350.39 r7.87
  lines w6: 6449.8,4475.39 6453.74,4479.33 6461.12,4486.71 6472.44,4475.39 6449.8,4475.39
  lines w10: 6340.55,4352.36 6355.31,4367.13 6355.31,4335.63 6340.55,4350.39 6461.61,4350.39 6461.61,4482.28
  text "D" at 5772.64,4527.56 h32 r270
  text "D" at 5938.98,4527.56 h32 r270
  text "D" at 5715.55,4524.61 h32 r270
  text "D" at 5825.79,4524.61 h32 r270
  text "D" at 5878.94,4524.61 h32 r270
  text "5V" at 5714.57,4471.46 h32 r270
  text "x" at 6400.59,4455.71 h60
  text "Y2" at 5768.7,4401.57 h32 r270
  text "X2" at 5878.94,4398.62 h32 r270
  text "Y1" at 5822.83,4396.65 h32 r270
  text "X1" at 5937.01,4393.7 h32 r270
  text "z" at 6450.79,4290.35 h60
  text "y" at 6295.28,4283.46 h60
  text "VCC" at 5320.87,3460.83 h32 r270
  text "DIO" at 5320.87,3353.54 h32 r270
  text "SCK" at 5321.85,3261.02 h32 r270
  text "GND" at 5319.88,3160.63 h32 r270